# Allegro board LAY-27392_C.brd (continued)
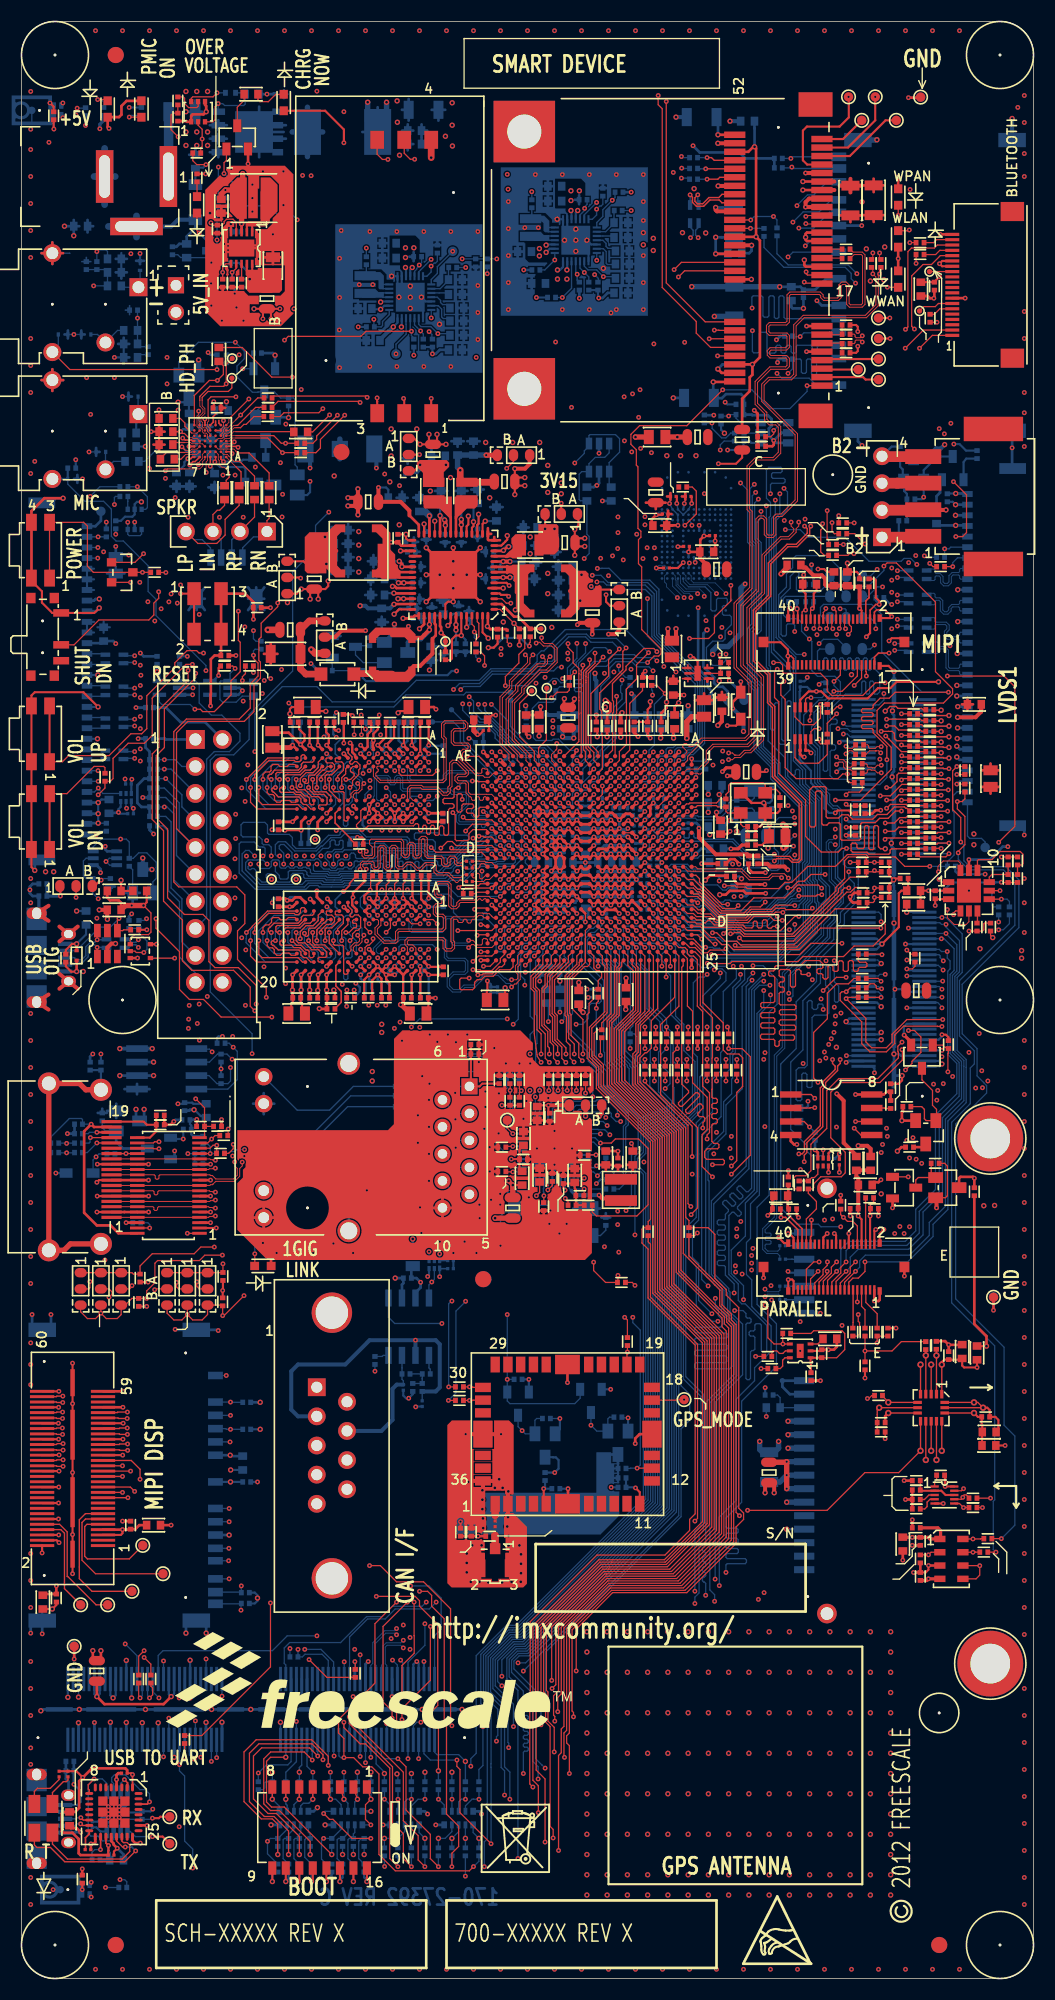
[diagram p0: board, top side]
## Routing (per net, layer and track width the routed paths; a pad name or vN(x,y) marks a point on that pad's centre or on a via; arc(x,y) is an arc through that point) (continued)
SD4_DATA1: length 56.6
  TOP w0.119: U1.B19 62.67,100.21 63.23,100.21 63.52,99.92 64.8,99.92 65.36,99.36 68.35,99.36 68.94,99.95 70.43,99.95 70.82,99.56 71.29,99.56 71.3,99.57 v1(71.59,99.57)
  L3_INT_1 w0.114: v1(71.59,99.57) 72.04,100.02 72.04,100.94 72.56,101.47 73.31,101.47 73.54,101.69 73.54,102.24 73.94,102.64 73.94,104.58 74.1,104.75 74.1,106.79 74.1,106.79 74.1,108.09 74.1,108.1 74.1,111.47 74.1,111.47 74.1,111.65 74.1,112.01 74.1,112.63 74.69,113.22 74.69,115.82 74.11,116.4 74.11,117.43 73.49,118.05 73.49,119.43 72.39,120.53 72.39,123.37 71.74,124.02 71.74,124.59 72.01,124.86 72.01,125.3 71.7,125.61 71.55,125.61 71.26,125.32 71.1,125.32 70.99,125.42 70.99,125.58 71.29,125.87 71.29,126.02 71.18,126.13 71.03,126.13 70.73,125.84 70.58,125.84 70.47,125.94 70.47,126.1 70.77,126.39 70.77,126.54 70.66,126.65 70.5,126.65 70.21,126.36 70.06,126.36 69.95,126.47 69.95,126.62 70.24,126.91 70.24,127.06 70.14,127.17 69.98,127.17 69.69,126.88 69.54,126.88 69.43,126.99 69.43,127.14 69.72,127.43 69.72,127.58 69.42,127.89 66.7,127.89 64.97,129.62 63.86,129.62 63.63,129.84 v1(63.63,130.3)
  BOTTOM w0.076: U512.H4 61.78,131.14 62.4,130.52 63.41,130.52 v1(63.63,130.3)
SD4_DATA2: length 57
  TOP w0.178: v1(59.47,101.81) U1.F17
  L3_INT_1 w0.114: v1(66.29,124.61) 70.36,120.55 70.36,119.81 71.55,118.62 71.55,114.06 71.63,113.97 71.63,110.7 71.54,110.61 71.54,110.1 71.95,109.69 71.95,109.6 72.12,109.43 72.12,108.22 v1(72.77,107.57)
  BOTTOM w0.076: 62.77,130.94 62.28,131.43 U512.H5
  BOTTOM w0.119: v1(59.47,101.81) 59.56,101.91 59.56,102.11 59.86,102.4 59.86,103.55 60.11,103.8 60.41,103.8 60.66,104.05 60.66,104.35 61.15,104.84 62.67,104.84 63.12,104.39 67.77,104.39 68.1,104.73 70.4,104.73 70.65,104.48 71.03,104.48 71.12,104.57 71.15,104.57 71.46,104.88 71.46,105.49 72.14,106.17 72.14,106.93 v1(72.77,107.57) ; 62.77,130.94 64.33,130.94 64.87,130.4 64.87,128.8 65,128.68 65.28,128.68 65.41,128.8 65.41,129.74 65.53,129.87 66.32,129.87 66.42,129.77 66.42,129.31 66.29,129.18 66.07,129.18 65.96,129.08 65.96,128.4 66.09,128.27 66.65,128.27 66.8,128.12 66.8,127.38 66.22,126.8 66.22,126.06 65.99,125.83 65.05,125.83 64.46,125.24 64.46,124.16 65.07,123.55 65.79,123.55 66.29,124.05 v1(66.29,124.61)
SD4_DATA3: length 58.6
  TOP w0.119: v1(71.12,99) 70.7,99 70.54,98.83 70.31,98.83 70.18,98.96 70.18,99.49 70.05,99.62 69.85,99.62 69.72,99.49 69.72,98.98 69.6,98.86 69.37,98.86 69.24,98.98 69.24,99.38 69.13,99.49 68.97,99.49 68.86,99.38 68.86,98.98 68.73,98.86 68.15,98.86 68.02,98.98 68.02,99.01 67.89,99.14 65.2,99.14 64.77,99.57 64.6,99.57 64.36,99.33 64.19,99.33 63.91,99.62 63.51,99.62 63.32,99.81 U1.A20
  L3_INT_1 w0.114: v1(61.72,129.93) 61.6,129.93 61.45,129.78 61.45,128.97 62.8,127.62 63.38,127.62 64.13,128.37 64.82,128.37 65.66,127.53 66.14,127.53 66.45,127.22 67.04,127.22 69.52,124.74 69.52,124.56 69.52,124.56 69.52,123.3 71.72,121.1 71.72,120.29 72.84,119.16 72.84,114.6 72.92,114.51 72.92,112.27 73.45,111.74 73.45,107.83 73.46,107.83 73.46,107.06 73.45,107.06 73.45,105.01 73.29,104.85 73.29,103.43 72.55,102.69 72.55,102.34 71.63,101.42 71.63,101.14 70.74,100.25 70.74,99.47 70.46,99.19 70.46,97.49 70.74,97.21 71.37,97.21 71.53,97.36 71.53,98.6 v1(71.12,99)
  BOTTOM w0.076: v1(61.72,129.93) 61.72,129.93 60.71,130.94 60.71,131.21 60.53,131.39 60.53,131.98 U512.J2
SD4_DATA4: length 55.3
  TOP w0.178: v1(60.27,101.01) U1.E18
  L3_INT_1 w0.114: v1(62.99,129.93) 63.28,129.64 63.28,129.63 63.51,129.4 64.89,129.4 66.61,127.67 67.45,127.67 70.92,124.2 70.93,124.2 72.16,122.96 72.16,120.45 73.27,119.34 73.27,114.77 73.36,114.69 73.36,114.14 73.46,114.03 74.16,114.03 74.27,113.92 74.27,113.77 74.16,113.66 73.46,113.66 73.36,113.56 73.36,113.4 73.46,113.3 73.81,113.3 73.91,113.19 73.91,113.03 73.81,112.93 73.46,112.93 73.36,112.82 73.36,112.45 73.89,111.92 73.89,111.74 73.89,111.56 73.88,108.01 73.89,108 73.89,106.88 73.88,106.88 73.88,104.84 73.72,104.67 73.72,103.01 v1(73.15,102.44)
  BOTTOM w0.076: U512.J3 61.52,131.98 61.52,131.64 61.6,131.56 61.6,131.06 62.32,130.34 62.82,130.34 62.99,130.18 62.99,129.93 v1(62.99,129.93)
  BOTTOM w0.119: v1(60.27,101.01) 60.66,101.4 62.03,101.4 62.24,101.61 62.49,101.61 62.61,101.49 62.61,101.22 62.74,101.09 63.12,101.09 63.25,101.22 63.25,101.45 63.41,101.61 63.95,101.61 65.45,100.11 70.11,100.11 71.28,101.28 71.84,101.28 72.38,101.82 72.53,101.82 v1(73.15,102.44)
SD4_DATA5: length 56
  TOP w0.178: v1(61.87,100.21) U1.C19
  L3_INT_1 w0.114: v1(64.25,130.05) 64.25,130.73 64.38,130.86 64.89,130.86 65.02,130.73 65.02,129.88 66.79,128.1 69.51,128.1 72.52,125.1 72.52,124.71 72.51,124.71 72.51,123.65 72.64,123.52 72.64,120.58 73.7,119.52 73.7,118.14 74.33,117.52 74.33,117.34 74.33,116.49 74.9,115.91 74.9,113.13 74.32,112.54 74.32,112.1 74.32,111.56 74.32,111.38 74.32,108.19 74.32,108.18 74.32,106.7 74.32,106.7 74.32,104.66 74.16,104.49 74.16,102.55 73.76,102.15 73.76,101.6 73.16,101.01 73.16,100.8 72.48,100.13 72.48,99.48 72.26,99.26 v1(72.26,98.69)
  BOTTOM w0.076: U512.J4 62.02,131.98 62.02,131.27 62.55,130.74 63.82,130.74 64.25,130.31 v1(64.25,130.05)
  BOTTOM w0.119: v1(72.26,98.69) 72.25,98.68 71.88,98.68 71.75,98.55 68.1,98.55 67.9,98.75 67.48,98.75 67,99.23 64.39,99.23 64.28,99.34 62.87,99.34 62.19,100.02 62.06,100.02 v1(61.87,100.21)
SD4_DATA6: length 56
  TOP w0.119: U1.B20 62.67,99.41 63.37,99.41 63.55,99.23 63.95,99.23 64.27,98.91 67.74,98.91 68.04,98.61 71.43,98.61 72.76,99.94 v1(73.15,99.94)
  L3_INT_1 w0.114: v1(73.15,99.94) 73.15,100.49 73.37,100.71 73.37,100.92 73.97,101.51 73.97,102.06 74.37,102.46 74.37,104.41 74.53,104.57 74.53,106.61 74.54,106.61 74.54,108.27 74.53,108.28 74.53,111.29 74.53,111.47 74.53,112.18 74.53,112.45 75.12,113.04 75.12,116 74.58,116.54 74.58,118.61 73.92,119.27 73.92,119.61 72.9,120.63 72.9,123.65 72.73,123.81 72.73,125.19 69.6,128.32 66.88,128.32 65.85,129.35 65.85,131.66 65.73,131.78 65.54,131.78 65.41,131.64 v1(65.41,130.3)
  BOTTOM w0.076: v1(65.41,130.3) 64.57,131.14 62.92,131.14 62.52,131.53 62.52,131.98 U512.J5
SD4_DATA7: length 56
  TOP w0.178: U1.D19 v1(61.07,100.21)
  L3_INT_1 w0.114: v1(66.29,130.3) 66.29,129.46 67.22,128.54 69.71,128.54 72.95,125.3 72.95,124.1 73.15,123.89 73.15,120.68 74.14,119.7 74.14,119.36 75.46,118.04 75.46,115.54 75.34,115.42 75.34,112.95 74.75,112.36 74.75,112.27 74.75,111.38 74.75,111.38 74.75,111.2 74.75,108.37 74.75,108.36 74.75,106.52 74.75,106.52 74.75,104.48 74.59,104.32 74.59,102.37 74.19,101.97 74.19,101.42 73.59,100.83 73.59,99.75 73.02,99.19 v1(72.77,99.19)
  BOTTOM w0.076: U512.J6 63.02,131.98 63.02,131.54 63.25,131.32 65.28,131.32 v1(66.29,130.3)
  BOTTOM w0.119: v1(61.07,100.21) 61.13,100.21 61.32,100.02 61.54,99.8 62.1,99.8 62.78,99.12 64.19,99.12 64.3,99.01 66.91,99.01 67.39,98.53 67.81,98.53 68.04,98.3 72.52,98.3 72.77,98.55 v1(72.77,99.19)
SDWNB: length 5.4
  TOP w0.203: 48.89,126.99 TP13.1
  TOP w0.254: U8.2 45.17,129.32 46.35,128.14 46.73,128.14 R29.2 48.89,126.99
SEN_1V8: length 15.5
  TOP w0.203: L20.1 89.93,59.51 v2(90.8,59.51)
  TOP w0.254: R160.1 89.66,61.59 90.8,60.45 v2(90.8,59.51)
SEN_3V3: length 71
  TOP w0.203: L21.1 v1(92.56,50.16)
  TOP w0.254: R191.1 74.92,56.27 74.93,56.26 v1(75.18,56.26) ; R197.1 v1(83.06,46.86) ; R201.1 v1(83.83,43.17) ; v2(82.42,77.85) 82.8,78.23 R155.1
  L3_INT_1 w0.381: v2(82.42,77.85) 82.42,75.49 84.2,73.71 84.2,69.98 83.57,69.34 75.31,69.34 74.17,68.2 74.17,65.79 76.45,63.5 76.45,62.23 75.18,60.96 v1(75.18,56.26)
  L3_INT_1 w0.508: v1(75.18,56.26) 75.18,48.26 76.58,46.86 v1(83.06,46.86) 83.83,46.09 v1(83.83,43.17) 88.89,43.17 89.79,44.07 89.79,45.21 92.56,47.98 v1(92.56,50.16)
SENS1V8_ON: length 4.2
  TOP w0.127: R156.2 85.6,75.79 Q5.1 84.39,75.37 84.15,75.13 Q4.3
SENS3V3_ON: length 8.9
  TOP w0.119: Q2.3 84.73,84.56 85.72,83.57 85.72,82.17 86.11,81.79 86.11,80.79 Q3.1 85.13,80.73 85.09,80.77
  TOP w0.127: 85.09,80.77 84.96,80.9 84.96,81.79 84.71,82.04 R150.2
SENSOR1V8: length 3.3
  TOP w0.254: R160.2 v1(89.66,75.31) 89.53,75.44 88.35,75.44 88.22,75.31 Q5.3
SENSOR3V3: length 1.3
  TOP w0.254: R155.2 84.79,78.23 Q3.3
SENSOR_PWR_EN: length 41.9
  TOP w0.119: Q2.1 86.67,87.83 86.9,87.6 87.13,87.6 R130.1 87.22,87.09 87.17,87.04 v1(87.17,85.32)
  TOP w0.127: Q4.1 v1(83.44,75.44) ; R136.1 v1(64.52,84.45)
  L3_INT_1 w0.114: v1(83.44,75.44) 84.33,75.44 85.34,76.45 85.34,80.44 87.17,82.27 v1(87.17,85.32)
  L6_INT_2 w0.114: v1(87.17,85.32) 84.24,85.32 83.45,86.11 82.77,86.11 82.34,85.67 79.48,85.67 78.97,85.17 69.29,85.17 68.19,84.07 64.9,84.07 v1(64.52,84.45)
SHUTDOWN: length 72.9
  TOP w0.119: v1(14.76,173.28) 14.09,173.95 14.09,175.32 14.27,175.51 R2.2 R1.1 ; v1(12.93,130.48) 12.93,129.87 12.47,129.41 12.47,128.3 12,127.83 7.3,127.83 4.96,125.49 SW3.2
  L3_INT_1 w0.114: v1(12.93,130.48) 13.51,130.48 15.11,132.08 21.86,132.08 25.57,135.79 25.57,144.86 21.95,148.49 21.95,148.67 19.35,151.26 19.35,152.35 16.59,155.11 16.59,160.07 14.99,161.67 14.99,173.05 v1(14.76,173.28)
SPDIF_CLK: length 113.6
  TOP w0.119: v1(83.31,95) 83.82,95 84.07,95.25 R114.1
  TOP w0.178: U1.R3 v1(51.47,113.81)
  L3_INT_1 w0.114: v1(55.35,124.84) 55.35,124.84 55.35,125.35 56.96,126.96 56.96,129.97 56.06,130.87 56.06,132.33 55.63,132.77 v1(55.63,133.86)
  L6_INT_2 w0.114: v1(55.63,133.86) 56.08,133.86 56.93,134.71 58,134.71 58.93,135.64 60.45,135.64 60.71,135.89 63.25,135.89 63.7,136.34 63.94,136.34 64.27,136.68 65.28,136.68 66.67,135.28 77.01,135.28 77.09,135.36 79.07,135.36 80.37,136.65 81.53,136.65 82.18,136 85.66,136 86.25,135.42 87.18,135.42 88.52,134.07 88.52,131.79 87.59,130.86 87.59,126.74 89.14,125.19 89.14,124.05 90.49,122.7 90.49,110.37 90.28,110.17 90.28,106.46 89.99,106.17 89.99,104.66 89.83,104.49 89.83,103.46 90.22,103.07 90.22,101.96 89.6,101.35 89.6,98.45 87.95,96.8 87.95,95.75 87.11,94.91 87.11,94.73 86.87,94.49 83.82,94.49 v1(83.31,95)
  BOTTOM w0.119: v1(51.47,113.81) 51.47,114.06 51.86,114.45 51.86,114.75 52.11,115 52.39,115 52.76,115.37 52.76,120.98 52.65,121.09 52.15,121.09 52.04,121.2 52.04,121.35 52.15,121.46 52.65,121.46 52.76,121.57 52.76,121.72 52.65,121.83 52.15,121.83 52.04,121.94 52.04,122.1 52.15,122.21 52.65,122.21 52.76,122.32 52.76,122.89 52.43,123.22 52.43,123.75 53.9,125.22 54.97,125.22 v1(55.35,124.84) ; J504.38 83.52,94.84 83.36,95 v1(83.31,95)
SPDIF_OUT: length 108
  TOP w0.178: U1.R1 52.12,115.26 52.12,115.43 v1(52.24,115.55)
  L3_INT_1 w0.114: v1(54.51,133.63) 53.12,132.24 53.12,129.27 52.9,129.06 52.9,127.13 53.09,126.95 v1(53.09,125.6)
  L6_INT_2 w0.114: v1(86.72,94.89) 87.73,95.9 87.73,97.21 88.42,97.89 88.42,98.37 89.39,99.35 89.39,101.44 90,102.05 90,102.98 89.61,103.37 89.61,104.58 89.78,104.75 89.78,106.25 90.07,106.55 90.07,110.26 90.27,110.46 90.27,122.61 88.93,123.96 88.93,125.1 87.38,126.65 87.38,130.95 88.31,131.88 88.31,133.99 87.09,135.2 86.06,135.2 85.47,135.79 83.05,135.79 81.84,134.58 78.99,134.58 78.68,134.88 77.86,134.88 77.5,134.52 77.13,134.52 76.59,135.06 66.34,135.06 65.28,136.12 63.99,136.12 63.5,135.64 60.96,135.64 60.71,135.38 59.05,135.38 58.17,134.49 57.02,134.49 55.88,133.35 55.47,133.35 55.19,133.63 v1(54.51,133.63)
  BOTTOM w0.119: J504.40 86.27,95.34 86.72,94.89 v1(86.72,94.89) ; v1(52.24,115.55) 51.61,115.55 50.55,116.61 50.04,116.61 49.91,116.48 48.44,116.48 48.18,116.74 48.18,117.04 48.08,117.14 48.08,119.51 48.66,120.08 50.01,120.08 50.29,120.36 R596.1 50.29,121.18 50.65,121.54 51.36,121.54 51.66,121.84 51.66,123.08 52.2,123.63 52.2,123.84 53.09,124.72 v1(53.09,125.6)
SPI_NOR_HOLD_B: length 1.8
  TOP w0.127: R149.2 81.27,81.87 81.23,81.91 U14.7
SPI_NOR_WP: length 3.9
  TOP w0.119: U14.3 73.65,80.64 v1(74.16,80.13)
  BOTTOM w0.119: R643.2 73.66,80.63 v1(74.16,80.13) 74.18,80.13 74.68,79.63 R646.1
SPINOR_CLK: length 90.9
  TOP w0.119: R213.1 v1(77.34,134.92)
  TOP w0.127: U14.6 v1(78.49,80.64)
  L3_INT_1 w0.114: v1(77.34,134.92) 77.34,134.51 77.29,134.46 77.29,132.82 78.28,131.83 78.28,130.23 79.81,128.7 79.81,126.72 80.26,126.26 v1(80.26,125.48) 81.18,126.4 82.84,126.4 82.94,126.3 82.94,125.71 83.05,125.6 83.2,125.6 83.31,125.71 83.31,126.3 83.42,126.4 83.89,126.4 84.01,126.29 84.01,125.79 84.12,125.68 84.35,125.68 84.46,125.79 84.46,126.29 84.58,126.4 84.81,126.4 84.92,126.29 84.92,125.79 85.03,125.68 85.26,125.68 85.38,125.79 85.38,126.29 85.49,126.4 85.72,126.4 85.83,126.29 85.83,125.79 85.95,125.68 86.18,125.68 86.29,125.79 86.29,126.29 86.41,126.4 86.63,126.4 86.75,126.29 86.75,125.79 86.86,125.68 87.09,125.68 87.21,125.79 87.21,126.29 87.32,126.4 87.55,126.4 87.66,126.29 87.66,125.79 87.78,125.68 88.01,125.68 88.12,125.79 88.12,126.29 88.23,126.4 88.46,126.4 88.58,126.29 88.58,125.79 88.69,125.68 88.92,125.68 89.03,125.79 89.03,126.29 89.15,126.4 89.39,126.4 91.26,124.54 91.26,105.21 91.59,104.88 91.59,100.79 92.58,99.8 92.58,98.4 88.44,94.26 88.44,88.51 89.54,87.42 89.54,84.04 v1(89.79,83.79)
  L6_INT_2 w0.114: v1(78.49,80.64) 79.25,80.64 80.01,81.41 83.54,81.41 83.56,81.38 86.61,81.38 89.03,83.79 v1(89.79,83.79)
  BOTTOM w0.119: v1(80.26,125.48) 79.88,125.09 R590.1
SPINOR_CS0: length 84.3
  TOP w0.119: R214.1 78.41,135.94 79.08,135.27 v1(79.38,134.98)
  TOP w0.127: U14.1 74.3,83.19 v1(74.65,82.83)
  L3_INT_1 w0.114: v1(79.38,134.98) 79.38,133.73 v1(80.52,132.59) 81.22,131.89 81.22,131.51 81.54,131.18 82.94,131.18 83.1,131.34 83.4,131.34 83.55,131.19 83.86,131.19 84.01,131.34 84.32,131.34 84.47,131.19 86.16,131.19 91.97,125.37 91.97,108.1 93.27,106.81 93.27,98.09 89.1,93.93 89.1,88.77 90.36,87.51 v1(90.36,85.42)
  L6_INT_2 w0.114: v1(90.36,85.42) 89.92,84.98 89.4,84.98 86.26,81.84 83.72,81.84 83.64,81.91 77.95,81.91 77.77,81.91 77.77,81.91 75.56,81.91 v1(74.65,82.83)
  BOTTOM w0.119: v1(80.52,132.59) 79.88,131.95 R583.1
SPINOR_MISO: length 87.2
  TOP w0.119: v1(78.36,136.96) R215.1
  TOP w0.127: v1(74.65,81.95) 74.23,81.95 74.2,81.91 U14.2
  L3_INT_1 w0.114: v1(90.93,84.45) 90.64,84.75 90.46,84.75 89.97,85.24 89.97,87.6 88.89,88.68 88.89,94.04 93.04,98.2 93.04,105.54 92.38,106.2 92.38,107.31 91.72,107.98 91.72,125.02 85.8,130.94 84.87,130.94 84.71,130.78 84.41,130.78 84.26,130.94 83.95,130.94 83.8,130.78 83.5,130.78 83.34,130.94 v1(81.03,130.94) 78.94,133.02 78.94,134.29 78.36,134.87 v1(78.36,136.96)
  L6_INT_2 w0.114: v1(90.93,84.45) 89.26,84.45 86.41,81.61 83.64,81.61 83.59,81.66 75.35,81.66 75.06,81.95 v1(74.65,81.95)
  BOTTOM w0.119: v1(81.03,130.94) 80.52,130.94 79.63,130.05 R584.1
SPINOR_MOSI: length 88.8
  TOP w0.119: R212.1 77.77,133.91 77.92,134.06 v1(78.33,134.06)
  TOP w0.127: v1(78.36,80.01) 78.99,79.38 U14.5
  L3_INT_1 w0.114: v1(90.42,83.82) 89.76,84.49 89.76,87.51 88.67,88.59 88.67,94.16 92.81,98.3 92.81,103.99 91.49,105.31 91.49,124.61 89.48,126.62 87.15,126.62 87.04,126.73 87.04,127.22 86.93,127.33 86.7,127.33 86.58,127.22 86.58,126.73 86.47,126.62 86.24,126.62 86.13,126.73 86.13,127.22 86.01,127.33 85.78,127.33 85.67,127.22 85.67,126.73 85.55,126.62 85.32,126.62 85.21,126.73 85.21,127.22 85.1,127.33 84.87,127.33 84.75,127.22 84.75,126.73 84.64,126.62 84.41,126.62 84.3,126.73 84.3,127.22 84.18,127.33 83.95,127.33 83.84,127.22 83.84,126.73 83.72,126.62 83.5,126.62 83.38,126.73 83.38,127.22 83.27,127.33 83.04,127.33 82.92,127.22 82.92,126.73 82.81,126.62 82.06,126.62 82.05,126.61 80.78,126.61 v1(80.39,127) 80.39,128.65 78.56,130.48 78.56,132.54 78.33,132.77 v1(78.33,134.06)
  L6_INT_2 w0.114: v1(78.36,80.01) 79.12,80.01 80.26,81.15 83.01,81.15 83.03,81.13 86.79,81.13 88.98,83.31 89.92,83.31 v1(90.42,83.82)
  BOTTOM w0.119: v1(80.39,127) 80.39,127.51 79.88,128.02 R586.1
SPKLN: length 6.4
  TOP w0.119: L4.2 19.13,138.61 18.67,138.15 18.44,138.15 18.03,137.74 CON4.3
  BOTTOM w0.127: CON4.3 18.8,135.38 CON500.3
SPKLP: length 12.2
  TOP w0.119: 15.49,136.14 16.61,135.03 18.39,135.03 19.18,135.81 19.18,137.29 20.5,138.61 L5.2
  BOTTOM w0.127: CON500.4 17.8,134.6 17.02,135.38 16.26,135.38 15.49,136.14
SPKOUTLN: length 4
  TOP w0.076: 19.43,141.86 19.1,142.19 18.88,142.19 18.62,142.45 18.62,142.82 18.53,142.91 18.53,143.4 U7.B3
  TOP w0.119: L4.1 19.28,140.6 19.28,140.97 19.56,141.25 19.56,141.73 19.43,141.86
SPKOUTLP: length 3.4
  TOP w0.076: 20.19,142.24 U7.A1
  TOP w0.119: 20.19,142.24 20.68,141.76 20.68,140.64 20.5,140.46 L5.1
SPKOUTRN: length 7.3
  TOP w0.076: 20.19,143.71 20,143.9 18.53,143.9 U7.C3
  TOP w0.119: 20.19,143.71 20.37,143.54 21.44,143.54 23.32,141.66 L7.1
SPKOUTRP: length 5
  TOP w0.076: 20.19,142.75 20.02,142.75 19.52,143.25 19.52,143.25 19.38,143.39 19.37,143.39 19.37,143.4 19.03,143.4 U7.B2
  TOP w0.119: L6.1 21.95,141.35 20.54,142.75 20.19,142.75
SPKRN: length 6.9
  TOP w0.119: CON4.1 23.11,137.17 23.32,137.37 L7.2
  BOTTOM w0.127: CON500.1 20.83,133.72 20.83,134.62 21.84,135.64 22.61,135.64 CON4.1
SPKRP: length 6.3
  TOP w0.119: L6.2 21.95,137.52 CON4.2
  BOTTOM w0.127: CON4.2 19.8,135.37 CON500.2
SPKVDD: length 7.5
  TOP w0.076: v1(20.04,144.58) 19.87,144.4 19.03,144.4 U7.C2
  TOP w0.152: v1(19.02,142.72) 18.78,142.97 U7.A2
  BOTTOM w0.203: L508.2 21.47,142.9 20.85,142.9 20.68,142.72 v1(19.02,142.72) 19.02,144.21 C541.1 19.7,144.23 v1(20.04,144.58)
SW1CLX: length 1.1
  TOP w0.254: U8.11 45.56,133.82
SW1LX: length 2.4
  TOP w0.254: U8.9 45.7,132.82 ; U8.8 45.71,132.32
SW2LX: length 1.6
  TOP w0.254: U8.22 40.4,137.53
SW3_1V5: length 7.4
  TOP w0.203: R25.1 27.24,132.66 26.56,133.35 25.02,133.35
  BOTTOM w0.254: C577.1 29.2,132.72 28.92,132.72 28.7,132.94 v2(28.7,133.1) 28.7,133.35 28.96,133.6 29.32,133.6 C571.1 ; C560.1 29.2,136.02 28.96,136.02 v2(28.57,135.64) 28.96,135.26 29.21,135.26 C566.1
SW3LX: length 2.5
  TOP w0.254: U8.36 35.56,131.82 ; U8.35 35.57,132.32
SW4LX: length 1.6
  TOP w0.254: U8.21 40.9,137.54
SWBST_5V: length 8.4
  TOP w0.635: D9.C 26.77,122.73 26.27,123.24 C31.1 26.27,126.9 SH15.2 27.1,127.74 SH14.3
SWBST_FB: length 10.9
  TOP w0.254: v2(37.46,127) 37.9,127.43 U8.44
  TOP w0.381: SH14.2 29.51,126.21 30.12,126.82 v1(32.38,126.82)
  L3_INT_1 w0.381: v2(37.46,127) 37.01,126.54 33.32,126.54 33.05,126.82 v1(32.38,126.82)
SWBST_PWR_EN: length 3.3
  BOTTOM w0.119: R632.2 R592.2 29.25,123.71 29.26,123.71 Q510.1
SWBST_SUP: length 11.4
  TOP w0.254: v2(38.4,126.9) v2(38.4,127.41) U8.45
  TOP w0.381: v2(38.4,126.9) 37.92,126.42 37.92,126.41 37.66,126.15 36.39,126.15 36.14,126.39 L12.2
  BOTTOM w0.203: v2(38.4,127.41) 38.63,127.64 C593.1 39.57,128.25 C589.1
  BOTTOM w0.381: v2(38.4,127.41) v2(38.4,126.9) 38.4,126.79 37.62,126.01 36.65,126.01 36.36,125.72 Q511.3
SWBST_SW: length 5.1
  BOTTOM w0.119: Q511.1 32.17,123.81 31.45,124.54 Q510.3 31.55,125.41 R589.2
SWBSTLX: length 12
  TOP w0.254: U8.46 38.9,127.47 38.99,127.38 38.99,126.36 38.68,126.06
  TOP w0.381: 38.68,126.06 38.68,124.66 37.52,123.49 36.93,123.49 36.2,122.76 34.93,122.76 L12.1
  TOP w0.635: D9.A 31.34,122.78 33.48,122.78 33.53,122.73 L12.1
SYS_4V2: length 116.3
  TOP w0.203: J11.5 9.37,41.75 9.52,41.91 v1(9.52,42.25)
  TOP w0.254: U8.34 35.83,132.82 v2(35.81,132.84) 35.81,133.1 v2(35.56,133.35) ; 45.31,134.32 45.32,134.32 45.72,134.72 v2(45.85,134.72) ; 45.31,134.32 v2(45.36,134.37) ; 45.31,134.32 U8.12 ; v2(7.49,30.86) 7.49,30.23 7.19,29.92 SH26.1 7.04,29.92 6.73,30.23 v2(6.73,30.86) ; U8.20 v2(41.4,136.78) ; U8.50 v2(40.9,127.38) ; U8.37 v2(35.99,131.32) ; U6.3 v2(20.73,165.1) ; J11.7 v1(9.52,42.25) 10.24,42.25 C116.1 10.72,42.3 11.1,42.67 C117.1 ; v2(35.44,129.82) v2(35.97,129.82) U8.40 ; R83.1 v1(77.6,108.32) ; U8.10 v2(45.34,133.32) ; U8.24 v2(39.4,137.64) ; v2(45.97,131.82) 45.97,131.95 45.85,131.82 v2(45.34,131.82) 45.34,131.82 U8.7 ; U8.23 v2(39.9,136.73)
  TOP w0.381: v2(39.9,136.73) 39.9,137.17 v2(39.82,137.24) ; v2(60.83,127) 60.83,126.26 R32.1 61.59,126.26 v2(61.59,127) ; v2(40.9,127.38) v2(40.9,126.87) ; v2(41.4,136.78) v2(41.4,137.29) ; v2(35.48,131.32) v2(35.99,131.32) ; v2(45.34,133.32) v2(45.97,133.32)
  TOP w0.508: L1.1 20.42,167.82 19.96,168.28 v1(19.2,168.28) 18.82,167.89 C10.1 ; L1.1 20.73,167.21 v2(20.73,165.1) ; L1.1 20.47,167.51 20.83,167.87 v1(20.83,169.82)
  L3_INT_1 w0.254: v1(7.39,174.04) 10.01,176.66 17.42,176.66 18.01,176.07 18.01,169.47 v1(19.2,168.28)
  BOTTOM w0.119: R589.1 33.15,126.16 33.32,125.98 33.89,125.98 Q511.2
  BOTTOM w0.127: R557.1 v2(25.15,146.86)
  BOTTOM w0.203: U502.24 49.43,163.15 v2(49.38,163.09) ; C576.1 45.08,133.06 v2(45.34,133.32) ; v2(35.97,129.82) 35.97,129.82 35.99,129.79 C586.1 ; v2(41.4,137.29) 41.4,138.66 C551.1 ; v2(39.9,136.73) 39.9,136.53 39.88,136.51 C564.1 ; C552.1 39.4,138.57 v2(39.4,137.64) ; C580.1 35.14,131.7 35.48,131.33 v2(35.48,131.32) ; v2(45.85,134.72) 45.88,134.75 47.13,134.75 C568.1 ; C575.1 v2(35.81,132.84) ; C573.1 47,133.32 v2(45.97,133.32) ; C521.1 33.06,157.05 v2(33.81,157.05) 34.15,157.39 U503.23 ; C582.1 36.83,131.32 v2(35.99,131.32) ; C569.1 44.58,134.37 v2(45.36,134.37) ; C572.1 v2(35.56,133.35) ; v2(33.81,157.73) 33.86,157.79 U503.24 ; U502.23 49.72,162.75 49.43,162.46 ; v2(40.9,126.87) 40.9,126.06 40.89,126.05 C599.1 ; 41.4,136.84 41.4,136.71 C563.1
  BOTTOM w0.254: J508.65 25.38,26.69 v2(25.65,26.42) 25.88,26.65 J508.67 ; v2(20.73,165.1) 20.73,164.39 C530.1 ; C506.1 36.88,172.59 ; C506.1 36.36,172.01 ; C506.1 36.36,173.18 ; C506.1 35.84,172.59 ; J508.71 26.88,26.63 v2(26.67,26.42) 26.38,26.7 J508.69 ; 36.45,174.8 C501.1 ; C501.1 36.45,176.84 ; C501.1 35.81,175.82 ; C505.1 36.36,174.45 ; C505.1 36.88,173.86 ; C505.1 36.36,173.28 ; C505.1 35.84,173.86 ; Q506.2 25.11,146.9 v2(25.15,146.86) ; C578.1 46.35,131.7 46.23,131.83 45.98,131.83 v2(45.97,131.82) 45.97,131.83 45.34,131.83 v2(45.34,131.82) 44.96,131.82 44.83,131.7 C579.1 ; v2(49.38,162.41) 49.43,162.46 ; 32.09,173.74 D502.C 33.53,176.06
  BOTTOM w0.305: v1(7.39,174.04) 7.39,174.46 7.75,174.81 R501.1
  BOTTOM w0.381: v2(35.44,129.82) v2(35.97,129.82) ; v2(40.9,127.38) v2(40.9,126.87) ; v2(45.85,134.72) 45.71,134.72 v2(45.36,134.37) ; Q511.2 35.1,126.66 v2(35.1,127.43) ; v2(45.34,133.32) v2(45.97,133.32) ; v2(39.4,137.64) 39.77,137.27 39.8,137.27 v2(39.82,137.24) 39.9,137.17 v2(39.9,136.73) ; v2(35.81,132.84) 35.81,133.1 v2(35.56,133.35) ; v2(41.4,136.78) v2(41.4,137.29) ; v2(35.99,131.32) 35.98,131.31 35.49,131.31 v2(35.48,131.32)
  BOTTOM w0.508: v2(32.59,176.53) 32.59,174.68 D502.C 34.15,173.74 34.37,173.96 v2(34.37,176.53)
  vias: v2(35.36,176.66) v2(35.38,174.65) v2(35.59,171.55) v2(48.74,162.76) v2(48.74,162.08) v2(94.11,96.73) v2(94.11,96.01)
TAMPER: length 30.6
  TOP w0.119: R98.1 80.39,104.14 80.28,104.25 v1(80.26,104.25) 80.25,104.25 80.14,104.14 R97.2 79.5,103.75 79.38,103.63 77.98,103.63 76.89,102.54 76.89,102.23 72.72,98.06 72.67,98.06 67.96,98.06 67.6,98.42 67.09,98.42 66.97,98.3 v1(66.73,98.3)
  TOP w0.178: U1.E11 v1(60.27,107.41)
  L3_INT_1 w0.114: v1(60.27,107.41) 60.27,107.16 60.68,106.75 60.68,106.45 60.93,106.2 61.23,106.2 61.45,105.97 61.45,105.52 61.9,105.08 62.16,105.08 63.17,104.07 63.17,100.91 64.9,99.19 65.84,99.19 v1(66.73,98.3)
TEST_MODE: length 31.9
  TOP w0.119: v1(66.07,98.32) 66.44,98.69 67.64,98.69 68.06,98.28 72.58,98.28 76.63,102.34 76.63,102.67 77.46,103.5 77.46,105.19 77.81,105.54 79.38,105.54 79.5,105.42 R94.2 v1(80.26,105.03) R95.1
  TOP w0.178: U1.E12 v1(60.27,106.61)
  L3_INT_1 w0.114: v1(66.07,98.32) 65.51,98.88 64.75,98.88 64.64,98.98 62.95,100.67 62.95,103.98 62.07,104.86 61.34,104.86 60.68,105.53 60.68,105.95 60.27,106.36 v1(60.27,106.61)
TP7: length 10.7
  TOP w0.127: TP21.1 10.16,39.5 6.22,39.5 5.97,39.75 5.97,42.54 6.18,42.75 J11.9
TP8: length 11.8
  TOP w0.127: TP25.1 7.04,35.18 4.37,37.85 4.32,37.85 4.32,42.04 3.6,42.75 J11.10
TP9: length 13.8
  TOP w0.119: 12.7,38.1 6.98,38.1 5.71,39.37
  TOP w0.127: 5.71,39.37 5.71,42.92 6.04,43.25 J11.11 ; TP22.1 12.7,38.1
TP10: length 9.6
  TOP w0.127: J11.8 3.72,42.25 4.06,41.91 4.06,36.7 TP24.1
TP11: length 13.5
  TOP w0.127: TP23.1 6.65,36.45 5.46,37.64 5.46,43.18 6.03,43.75 J11.13
TP23: length 2.4
  BOTTOM w0.254: J503.30 6.98,136.65 7.49,137.16 TP503.1
TP25: length 2.4
  TOP w0.119: TP18.1 45.72,80.03 v1(46.25,79.5)
  BOTTOM w0.127: U516.22 v1(46.25,79.5)
TP26: length 3.5
  TOP w0.203: TP9.1 75.41,151.38 J1.5
TP27: length 5.4
  TOP w0.203: TP8.1 75.43,152.37 J1.7
TP28: length 5.4
  TOP w0.203: TP12.1 79.43,150.44 79.2,150.67 J1.3
TP29: length 13.1
  TOP w0.119: J1.17 75.28,159.51 73.76,159.51 v1(73.66,159.61)
  TOP w0.203: TP7.1 v1(81.74,154.31)
  L6_INT_2 w0.114: v1(73.66,159.61) 74.1,159.17 75.78,159.17 79.81,155.14 80.9,155.14 v1(81.74,154.31)
TP30: length 12.5
  TOP w0.119: J1.19 75.32,160.27 73.96,160.27 73.84,160.4 v1(73.84,160.58)
  TOP w0.203: TP6.1 v1(81.71,156.24)
  L6_INT_2 w0.114: v1(73.84,160.58) 74.14,160.27 76.4,160.27 80.44,156.24 v1(81.71,156.24)
TP31: length 11.5
  TOP w0.203: v1(77.83,177.04) 77.85,177.01 77.85,175.11 76.99,174.24 73.91,174.24 73.53,173.86 73.53,171.07 73.93,170.67 J1.45
TP31_16767721: length 6.7
  TOP w0.119: U1.W1 48.67,115.81 49.4,116.54 49.4,121.38 TP31.1
TP32: length 8.4
  TOP w0.203: J1.47 77.95,171.47 81.31,174.83 TP5.1
TP32_16767721: length 8.2
  TOP w0.119: U1.W2 48.27,114.61 48.27,115.46 46.88,116.84 46.88,119.98 47.66,120.76 47.66,120.8 TP32.1
TP33: length 8.3
  TOP w0.203: v1(80.34,177.04) 80.34,174.83 77.78,172.27 J1.49